# KiCad board TEC.kicad_pcb (continued)
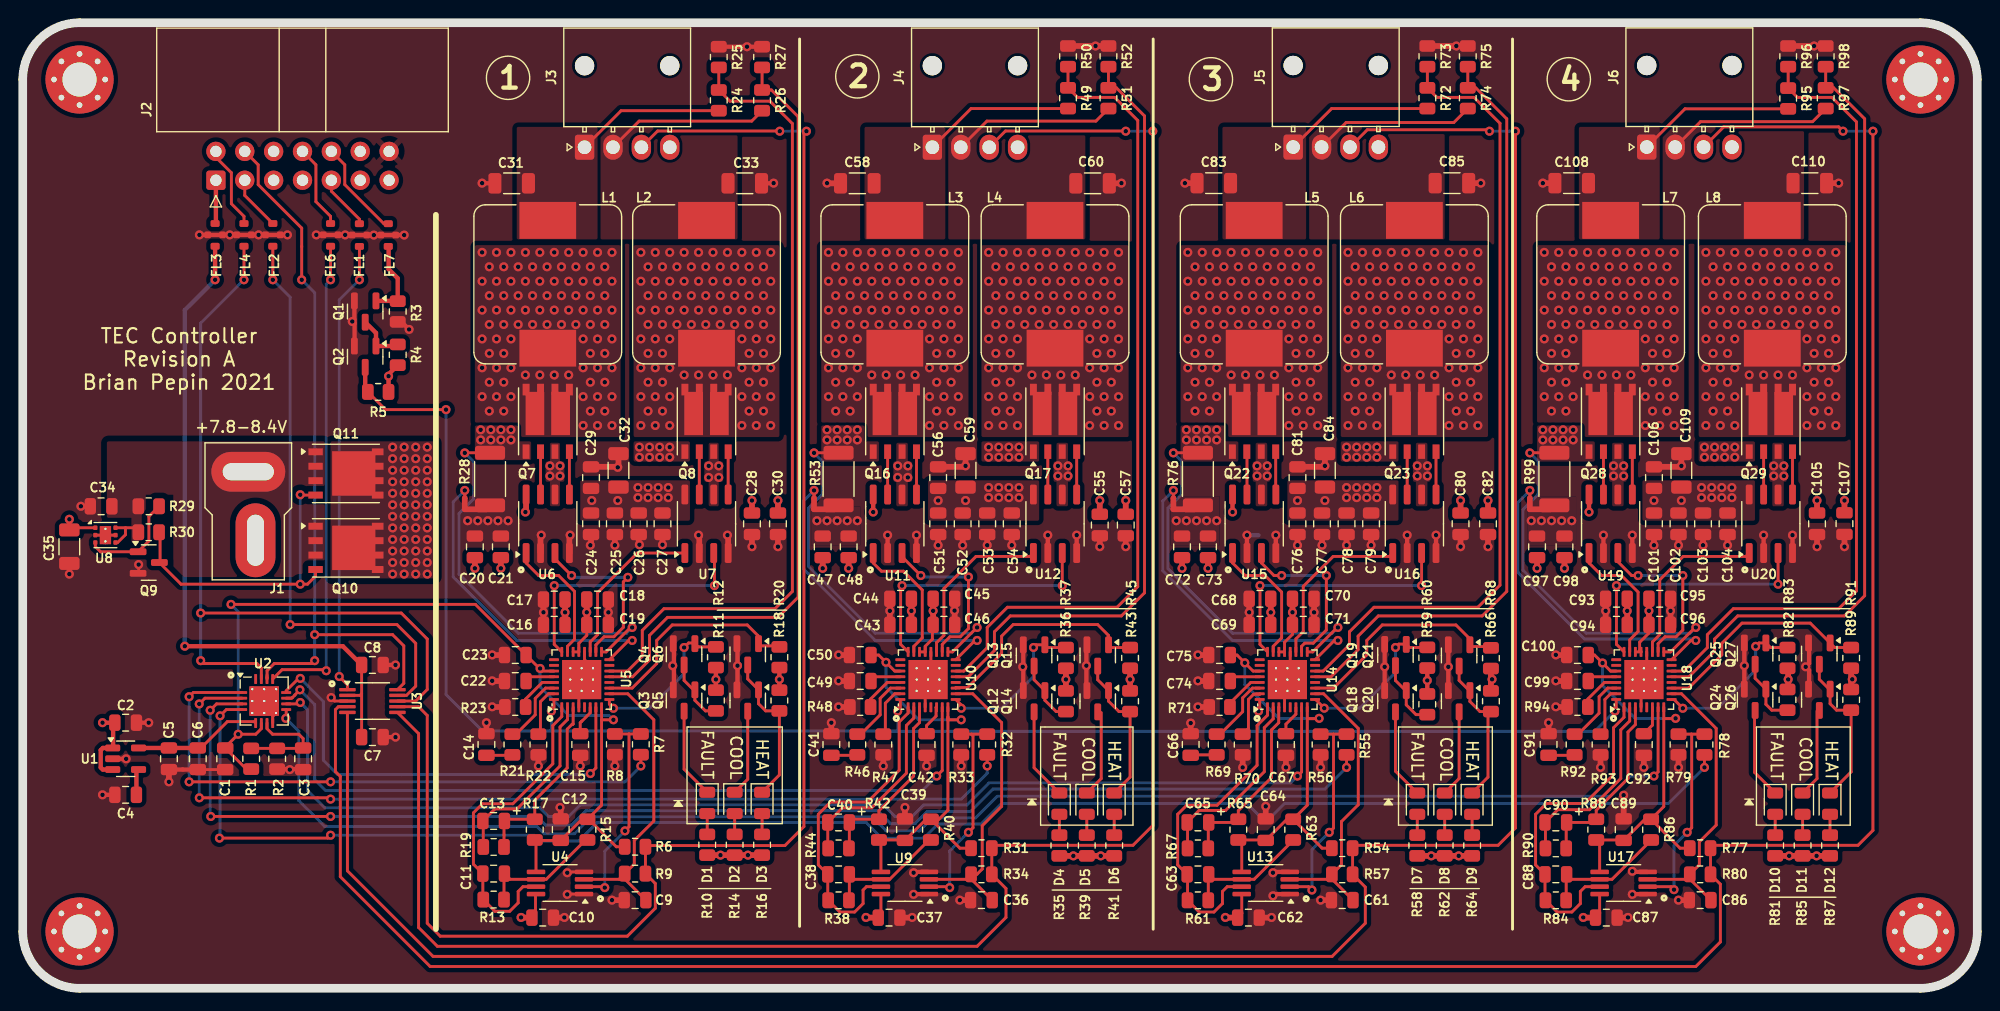
[diagram p0: board, top side]
## Library data of the parts (continued)
U2 = -: PartNo: DAC108S085CISQ/NOPB
U3 = -: PartNo: ADC104S021CIMMX/NOPB
U4 U9 U13 U17 = -: PartNo: LTC2053IMS8#PBF
U5 U10 U14 U18 = -: PartNo: LTC1923EUH#PBF
U6 U7 U11 U12 U15 U16 U19 U20 = -: PartNo: LTC1693-1IS8#PBF
U8 = -: PartNo: TPS7A2650DRVR

## Footprints (pads in the part's own frame, mm; a bottom-side part is the same pattern mirrored in y, then rotated)
C_0805_2012Metric
  rrect 1x1.45 smd: 1(-0.95,0) 2(0.95,0)
C_1206_3216Metric
  rrect 1.15x1.8 smd: 1(-1.475,0) 2(1.475,0)
Connector_Deans_Male
  oval 6.5x3.5 hole 4.5x1.5: +(0,2.531)
  oval 3.5x6.5 hole 1.5x4.5: -(0.635,-3.5)
EMI_805
  rrect 0.6x0.8 smd: 1(-1,0) 3(1,0)
  rrect 0.6x0.6 smd: 2(0,0.65) 2(0,-0.65)
IDC-Header_2x07_P2.54mm_Horizontal
  rrect 1.7x1.7 hole 1: 1(0,0)
  round 1.7 hole 1: 2(2.54,0) 3(0,-2.54) 4(2.54,-2.54) 5(0,-5.08) 6(2.54,-5.08) 7(0,-7.62) 8(2.54,-7.62) 9(0,-10.16) 10(2.54,-10.16) 11(0,-12.7) 12(2.54,-12.7) 13(0,-15.24) 14(2.54,-15.24)
L_Pulse_PA4343_2
  rect 3.25x5 smd: 1(-5.625,0) 2(5.625,0)
LED_0805_2012Metric
  rrect 0.975x1.4 smd: 1(-0.938,0) 2(0.938,0)
Molex_Nano-Fit_105313-xx04_1x04_P2.50mm_Horizontal
  round 1.7 hole 1.7 unplated: (7.18,0) (7.18,-7.5)
  rrect 2.2x1.7 hole 1.2: 1(0,0)
  oval 2.2x1.7 hole 1.2: 2(0,-2.5) 3(0,-5) 4(0,-7.5)
MountingHole_3mm_Pad_Via
  round 0.8 hole 0.5: 1(-2.25,0) 1(-1.591,1.591) 1(-1.591,-1.591) 1(0,2.25) 1(0,-2.25) 1(1.591,1.591) 1(1.591,-1.591) 1(2.25,0)
  round 6 hole 3: 1(0,0)
MSOP-8_3x3mm_P0.65mm
  rrect 1.625x0.4 smd: 1(-2.112,0.975) 2(-2.112,0.325) 3(-2.112,-0.325) 4(-2.112,-0.975) 5(2.112,-0.975) 6(2.112,-0.325) 7(2.112,0.325) 8(2.112,0.975)
NetTie-2_SMD_Pad0.5mm
  round 0.5 smd: 1(-0.5,0) 2(0.5,0)
PowerPAK_SO-8_Dual
  rect 1.27x0.61 smd: 1(-2.67,1.905) 2(-2.67,0.635) 3(-2.67,-0.635) 4(-2.67,-1.905)
  rect 3.81x1.65 smd: 5(0.69,1.13) 6(0.69,-1.13)
  rect 1.02x0.61 smd: 5(2.795,1.905) 5(2.795,0.635) 6(2.795,-0.635) 6(2.795,-1.905)
PowerPAK_SO-8_Single
  rect 1.27x0.61 smd: 1(-2.67,1.905) 2(-2.67,0.635) 3(-2.67,-0.635) 4(-2.67,-1.905)
  rect 3.81x3.91 smd: 5(0.69,0)
  rect 1.02x0.61 smd: 5(2.795,1.905) 5(2.795,0.635) 5(2.795,-0.635) 5(2.795,-1.905)
QFN-32-1EP_5x5mm_P0.5mm_EP3.45x3.45mm_ThermalVias
  custom 0.585x0.585 smd: (-1.363,1.363) (-1.363,-1.363) (1.363,1.363) (1.363,-1.363)
  custom 0.585x0.806 smd: (-1.363,0.5) (-1.363,-0.5) (1.363,0.5) (1.363,-0.5)
  custom 0.806x0.585 smd: (-0.5,1.363) (-0.5,-1.363) (0.5,1.363) (0.5,-1.363)
  rrect 0.806x0.806 smd: (-0.5,0.5) (-0.5,-0.5) (0.5,0.5) (0.5,-0.5)
  rrect 0.875x0.25 smd: 1(-2.438,1.75) 2(-2.438,1.25) 3(-2.438,0.75) 4(-2.438,0.25) 5(-2.438,-0.25) 6(-2.438,-0.75) 7(-2.438,-1.25) 8(-2.438,-1.75) 17(2.438,-1.75) 18(2.438,-1.25) 19(2.438,-0.75) 20(2.438,-0.25) 21(2.438,0.25) 22(2.438,0.75) 23(2.438,1.25) 24(2.438,1.75)
  rrect 0.25x0.875 smd: 9(-1.75,-2.438) 10(-1.25,-2.438) 11(-0.75,-2.438) 12(-0.25,-2.438) 13(0.25,-2.438) 14(0.75,-2.438) 15(1.25,-2.438) 16(1.75,-2.438) 25(1.75,2.438) 26(1.25,2.438) 27(0.75,2.438) 28(0.25,2.438) 29(-0.25,2.438) 30(-0.75,2.438) 31(-1.25,2.438) 32(-1.75,2.438)
  round 0.5 hole 0.2: 33(-1,1) 33(-1,0) 33(-1,-1) 33(0,1) 33(0,0) 33(0,-1) 33(1,1) 33(1,0) 33(1,-1)
  rect 2.5x2.5 smd far side: 33(0,0)
  rect 3.45x3.45 smd: 33(0,0)
R_0805_2012Metric
  rrect 1.025x1.4 smd: 1(-0.912,0) 2(0.912,0)
R_2010_5025Metric
  rrect 1.225x2.65 smd: 1(-2.312,0) 2(2.312,0)
SO-8_3.9x4.9mm_P1.27mm
  rrect 1.75x0.6 smd: 1(-2.575,1.905) 2(-2.575,0.635) 3(-2.575,-0.635) 4(-2.575,-1.905) 5(2.575,-1.905) 6(2.575,-0.635) 7(2.575,0.635) 8(2.575,1.905)
SOT-23
  rrect 1.475x0.6 smd: 1(-0.938,0.95) 2(-0.938,-0.95) 3(0.938,0)
SOT-23-5
  rrect 1.325x0.6 smd: 1(-1.137,0.95) 2(-1.137,0) 3(-1.137,-0.95) 4(1.137,-0.95) 5(1.137,0.95)
VSSOP-10_3x3mm_P0.5mm
  rrect 1.45x0.3 smd: 1(-2.2,1) 2(-2.2,0.5) 3(-2.2,0) 4(-2.2,-0.5) 5(-2.2,-1) 6(2.2,-1) 7(2.2,-0.5) 8(2.2,0) 9(2.2,0.5) 10(2.2,1)
WQFN-16-1EP_4x4mm_P0.5mm_EP2.6x2.6mm_ThermalVias
  rrect 1.13x1.13 smd: (-0.65,0.65) (-0.65,-0.65) (0.65,0.65) (0.65,-0.65)
  rrect 0.875x0.25 smd: 1(-1.938,0.75) 2(-1.938,0.25) 3(-1.938,-0.25) 4(-1.938,-0.75) 9(1.938,-0.75) 10(1.938,-0.25) 11(1.938,0.25) 12(1.938,0.75)
  rrect 0.25x0.875 smd: 5(-0.75,-1.938) 6(-0.25,-1.938) 7(0.25,-1.938) 8(0.75,-1.938) 13(0.75,1.938) 14(0.25,1.938) 15(-0.25,1.938) 16(-0.75,1.938)
  round 0.5 hole 0.2: 17(-1.05,1.05) 17(-1.05,0) 17(-1.05,-1.05) 17(0,1.05) 17(0,0) 17(0,-1.05) 17(1.05,1.05) 17(1.05,0) 17(1.05,-1.05)
  rect 2.6x2.6 smd: 17(0,0)
  rect 2.6x2.6 smd far side: 17(0,0)
WSON-6-1EP_2x2mm_P0.65mm_EP1x1.6mm_ThermalVias
  rrect 0.87x0.69 smd: (0,0.4) (0,-0.4)
  rrect 0.375x0.4 smd: 1(-0.887,0.65) 2(-0.887,0) 3(-0.887,-0.65) 4(0.887,-0.65) 5(0.887,0) 6(0.887,0.65)
  round 0.5 hole 0.2: 7(0,0.55) 7(0,-0.55)
  rect 0.5x1.6 smd far side: 7(0,0)
  rect 1x1.6 smd: 7(0,0)

## Nets
+3V3: C7.1 C8.1 FL3.1 U3.2
+5V: C2.1 C10.2 C16.2 C17.2 C18.2 C19.2 C35.2 C37.2 C43.2 C44.2 C45.2 C46.2 C62.2 C68.2 C69.2 C70.2 C71.2 C87.2 C93.2 C94.2 C95.2 C96.2 R4.2 R5.2 R10.2 R11.2 R12.2 R14.2 R16.2 R18.2 R20.2 R35.2 R36.2 R37.2 R39.2 R41.2 R43.2 R45.2 R58.2 R59.2 R60.2 R62.2 R64.2 R66.2 R68.2 R81.2 R82.2 R83.2 R85.2 R87.2 R89.2 R91.2 U1.1 U1.3 U4.8 U5.21 U5.22 U8.1 U9.8 U10.21 U10.22 U13.8 U14.21 U14.22 U17.8 U18.21 U18.22
GND: C1.1 C2.2 C3.1 C4.1 C5.1 C6.1 C7.2 C8.2 C9.2 C10.1 C12.2 C14.2 C15.1 C16.1 C17.1 C18.1 C19.1 C20.1 C21.1 C22.2 C23.2 C24.1 C25.1 C26.1 C27.1 C28.1 C29.2 C30.1 C31.1 C32.2 C33.1 C34.2 C35.1 C36.2 C37.1 C39.2 C41.2 C42.1 C43.1 C44.1 C45.1 C46.1 C47.1 C48.1 C49.2 C50.2 C51.1 C52.1 C53.1 C54.1 C55.1 C56.2 C57.1 C58.1 C59.2 C60.1 C61.2 C62.1 C64.2 C66.2 C67.1 C68.1 C69.1 C70.1 C71.1 C72.1 C73.1 C74.2 C75.2 C76.1 C77.1 C78.1 C79.1 C80.1 C81.2 C82.1 C83.1 C84.2 C85.1 C86.2 C87.1 C89.2 C91.2 C92.1 C93.1 C94.1 C95.1 C96.1 C97.1 C98.1 C99.2 C100.2 C101.1 C102.1 C103.1 C104.1 C105.1 C106.2 C107.1 C108.1 C109.2 C110.1 FL1.2 FL2.2 FL3.2 FL4.2 FL6.2 FL7.2 J1.- J2.14 J3.4 J4.4 J5.4 J6.4 NT1.2 NT2.2 NT3.2 NT4.2 Q1.2 Q2.2 Q3.2 Q4.2 Q5.2 Q6.2 Q9.2 Q12.2 Q13.2 Q14.2 Q15.2 Q18.2 Q19.2 Q20.2 Q21.2 Q24.2 Q25.2 Q26.2 Q27.2 R2.2 R3.1 R8.1 R22.2 R23.1 R25.1 R27.1 R28.1 R33.1 R47.2 R48.1 R50.1 R52.1 R53.1 R56.1 R70.2 R71.1 R73.1 R75.1 R76.1 R79.1 R93.2 R94.1 R96.1 R98.1 R99.1 U1.2 U2.8 U2.17 U3.3 U4.1 U4.4 U5.4 U5.20 U5.33 U6.2 U6.4 U7.2 U7.4 U8.2 U8.5 U8.7 U9.1 U9.4 U10.4 U10.20 U10.33 U11.2 U11.4 U12.2 U12.4 U13.1 U13.4 U14.4 U14.20 U14.33 U15.2 U15.4 U16.2 U16.4 U17.1 U17.4 U18.4 U18.20 U18.33 U19.2 U19.4 U20.2 U20.4
+BATT: C34.1 J1.+ Q10.1 Q10.2 Q10.3 Q11.1 Q11.2 Q11.3 R29.2 R30.2 U8.4 U8.6
+VDC: C20.2 C21.2 C24.2 C25.2 C26.2 C27.2 C28.2 C29.1 C30.2 C32.1 C47.2 C48.2 C51.2 C52.2 C53.2 C54.2 C55.2 C56.1 C57.2 C59.1 C72.2 C73.2 C76.2 C77.2 C78.2 C79.2 C80.2 C81.1 C82.2 C84.1 C97.2 C98.2 C101.2 C102.2 C103.2 C104.2 C105.2 C106.1 C107.2 C109.1 Q7.3 Q8.3 Q10.5 Q11.5 Q16.3 Q17.3 Q22.3 Q23.3 Q28.3 Q29.3 U6.6 U6.8 U7.6 U7.8 U11.6 U11.8 U12.6 U12.8 U15.6 U15.8 U16.6 U16.8 U19.6 U19.8 U20.6 U20.8
/CS_TEC_READ: FL1.1 U3.1
/CS_TEC_SET: FL6.1 U2.13
/ENABLE: Q2.3 R5.1 U5.32 U10.32 U14.32 U18.32
/ITECSET1: U2.12 U5.7
/ITECSET2: U2.11 U10.7
/ITECSET3: U2.10 U14.7
/ITECSET4: U2.9 U18.7
/LTC1923Channel/HC: Q6.1 R20.1 U5.11
/LTC1923Channel/TECN: C33.2 J3.2 L2.1 R26.2
/LTC1923Channel/TECP: C31.2 J3.1 L1.2 R24.2
/LTC1923Channel/~{FAULT}: Q4.1 R12.1 U5.9
/MISO: FL2.1 U3.9
/MOSI: FL4.1 U2.15 U3.8
/SCK: J2.4 U2.14 U3.10
/sheet609B3708/HC: Q15.1 R45.1 U10.11
/sheet609B3708/TECN: C60.2 J4.2 L4.1 R51.2
/sheet609B3708/TECP: C58.2 J4.1 L3.2 R49.2
/sheet609B3708/VREF: C39.1 C50.1 R31.1 R40.1 R42.2 U9.5 U10.8 U10.27
/sheet609B3708/~{FAULT}: Q13.1 R37.1 U10.9
/sheet609BE7FC/HC: Q21.1 R68.1 U14.11
/sheet609BE7FC/TECN: C85.2 J5.2 L6.1 R74.2
/sheet609BE7FC/TECP: C83.2 J5.1 L5.2 R72.2
/sheet609BE7FC/VREF: C64.1 C75.1 R54.1 R63.1 R65.2 U13.5 U14.8 U14.27
/sheet609BE7FC/~{FAULT}: Q19.1 R60.1 U14.9
/sheet609C9431/HC: Q27.1 R91.1 U18.11
/sheet609C9431/TECN: C110.2 J6.2 L8.1 R97.2
/sheet609C9431/TECP: C108.2 J6.1 L7.2 R95.2
/sheet609C9431/VREF: C89.1 C100.1 R77.1 R86.1 R88.2 U17.5 U18.8 U18.27
/sheet609C9431/~{FAULT}: Q25.1 R83.1 U18.9
/TEC_ENABLE: FL7.1 Q1.1 R3.2
/TEMPGET1: J3.3 R6.2 R9.2 U3.7
/TEMPGET2: J4.3 R31.2 R34.2 U3.6
/TEMPGET3: J5.3 R54.2 R57.2 U3.5
/TEMPGET4: J6.3 R77.2 R80.2 U3.4
/TEMPSET1: R7.2 U2.1
/TEMPSET2: R32.2 U2.2
/TEMPSET3: R55.2 U2.3
/TEMPSET4: R78.2 U2.4
/VREF: C1.2 C12.1 C23.1 R1.1 R6.1 R15.1 R17.2 U2.6 U4.5 U5.8 U5.27
/VREF2: C3.2 R1.2 R2.1 U2.7
Net-(C14-Pad1): C14.1 R21.2
Net-(C41-Pad1): C41.1 R46.2
Net-(C66-Pad1): C66.1 R69.2
Net-(C91-Pad1): C91.1 R92.2
Net-(D1-A): D1.2 R10.1
Net-(D1-K): D1.1 Q3.3
Net-(D2-A): D2.2 R14.1
Net-(D2-K): D2.1 Q5.3
Net-(D3-A): D3.2 R16.1
Net-(D3-K): D3.1 Q5.1 Q6.3 R18.1
Net-(D4-A): D4.2 R35.1
Net-(D4-K): D4.1 Q12.3
Net-(D5-A): D5.2 R39.1
Net-(D5-K): D5.1 Q14.3
Net-(D6-A): D6.2 R41.1
Net-(D6-K): D6.1 Q14.1 Q15.3 R43.1
Net-(D7-A): D7.2 R58.1
Net-(D7-K): D7.1 Q18.3
Net-(D8-A): D8.2 R62.1
Net-(D8-K): D8.1 Q20.3
Net-(D9-A): D9.2 R64.1
Net-(D9-K): D9.1 Q20.1 Q21.3 R66.1
Net-(D10-A): D10.2 R81.1
Net-(D10-K): D10.1 Q24.3
Net-(D11-A): D11.2 R85.1
Net-(D11-K): D11.1 Q26.3
Net-(D12-A): D12.2 R87.1
Net-(D12-K): D12.1 Q26.1 Q27.3 R89.1
Net-(J2-Pin_1): FL3.3 J2.1
Net-(J2-Pin_2): FL4.3 J2.2
Net-(J2-Pin_3): FL2.3 J2.3
Net-(J2-Pin_8): FL6.3 J2.8
Net-(J2-Pin_9): FL1.3 J2.9
Net-(J2-Pin_10): FL7.3 J2.10
Net-(Q1-D): Q1.3 Q2.1 R4.1
Net-(Q3-G): Q3.1 Q4.3 R11.1
Net-(Q7-D1): L1.1 Q7.5 Q7.6
Net-(Q7-G1): Q7.2 U6.7
Net-(Q7-G2): Q7.4 U6.5
Net-(Q7-S1): Q7.1 Q8.1 R28.2 U5.17
Net-(Q8-D1): L2.2 Q8.5 Q8.6
Net-(Q8-G1): Q8.2 U7.7
Net-(Q8-G2): Q8.4 U7.5
Net-(Q9-G): Q9.1 R29.1 U8.3
Net-(Q10-G): Q9.3 Q10.4 Q11.4 R30.1
Net-(Q12-G): Q12.1 Q13.3 R36.1
Net-(Q16-D1): L3.1 Q16.5 Q16.6
Net-(Q16-G1): Q16.2 U11.7
Net-(Q16-G2): Q16.4 U11.5
Net-(Q16-S1): Q16.1 Q17.1 R53.2 U10.17
Net-(Q17-D1): L4.2 Q17.5 Q17.6
Net-(Q17-G1): Q17.2 U12.7
Net-(Q17-G2): Q17.4 U12.5
Net-(Q18-G): Q18.1 Q19.3 R59.1
Net-(Q22-D1): L5.1 Q22.5 Q22.6
Net-(Q22-G1): Q22.2 U15.7
Net-(Q22-G2): Q22.4 U15.5
Net-(Q22-S1): Q22.1 Q23.1 R76.2 U14.17
Net-(Q23-D1): L6.2 Q23.5 Q23.6
Net-(Q23-G1): Q23.2 U16.7
Net-(Q23-G2): Q23.4 U16.5
Net-(Q24-G): Q24.1 Q25.3 R82.1
Net-(Q28-D1): L7.1 Q28.5 Q28.6
Net-(Q28-G1): Q28.2 U19.7
Net-(Q28-G2): Q28.4 U19.5
Net-(Q28-S1): Q28.1 Q29.1 R99.2 U18.17
Net-(Q29-D1): L8.2 Q29.5 Q29.6
Net-(Q29-G1): Q29.2 U20.7
Net-(Q29-G2): Q29.4 U20.5
Net-(U1-BP): C4.2 U1.4
Net-(U1-VOUT): C5.2 C6.2 U1.5 U2.5
Net-(U4-+IN): C9.1 R9.1 U4.3 U5.10
Net-(U4--IN): R7.1 R8.2 U4.2
Net-(U4-OUT): C11.1 R13.1 U4.7 U5.1
Net-(U4-RG): C11.2 R13.2 R15.2 U4.6
Net-(U5-CS-): NT1.1 U5.16
Net-(U5-CT): C22.1 U5.28
Net-(U5-EAOUT): C13.2 R19.1 U5.2
Net-(U5-FB): C13.1 R17.1 R19.2 U5.3
Net-(U5-NDRVA): U5.19 U7.1
Net-(U5-NDRVB): U5.23 U6.1
Net-(U5-PDRVA): U5.18 U6.3
Net-(U5-PDRVB): U5.24 U7.3
Net-(U5-PLLLPF): R21.1 U5.30
Net-(U5-RSLEW): R22.1 U5.31
Net-(U5-RT): R23.2 U5.29
Net-(U5-SS): C15.2 U5.6
Net-(U5-TEC+): R24.1 R25.2 U5.14
Net-(U5-TEC-): R26.1 R27.2 U5.13
Net-(U9--IN): R32.1 R33.2 U9.2
Net-(U9-RG): C38.2 R38.2 R40.2 U9.6
Net-(U10-CNTRL): C38.1 R38.1 U9.7 U10.1
Net-(U10-CS-): NT2.1 U10.16
Net-(U10-CT): C49.1 U10.28
Net-(U10-EAOUT): C40.2 R44.1 U10.2
Net-(U10-FB): C40.1 R42.1 R44.2 U10.3
Net-(U10-NDRVA): U10.19 U12.1
Net-(U10-NDRVB): U10.23 U11.1
Net-(U10-PDRVA): U10.18 U11.3
Net-(U10-PDRVB): U10.24 U12.3
Net-(U10-PLLLPF): R46.1 U10.30
Net-(U10-RSLEW): R47.1 U10.31
Net-(U10-RT): R48.2 U10.29
Net-(U10-SS): C42.2 U10.6
Net-(U10-TEC+): R49.1 R50.2 U10.14
Net-(U10-TEC-): R51.1 R52.2 U10.13
Net-(U10-VTHRM): C36.1 R34.1 U9.3 U10.10
Net-(U13-+IN): C61.1 R57.1 U13.3 U14.10
Net-(U13--IN): R55.1 R56.2 U13.2
Net-(U13-OUT): C63.1 R61.1 U13.7 U14.1
Net-(U13-RG): C63.2 R61.2 R63.2 U13.6
Net-(U14-CS-): NT3.1 U14.16
Net-(U14-CT): C74.1 U14.28
Net-(U14-EAOUT): C65.2 R67.1 U14.2
Net-(U14-FB): C65.1 R65.1 R67.2 U14.3
Net-(U14-NDRVA): U14.19 U16.1
Net-(U14-NDRVB): U14.23 U15.1
Net-(U14-PDRVA): U14.18 U15.3
Net-(U14-PDRVB): U14.24 U16.3
Net-(U14-PLLLPF): R69.1 U14.30
Net-(U14-RSLEW): R70.1 U14.31
Net-(U14-RT): R71.2 U14.29
Net-(U14-SS): C67.2 U14.6
Net-(U14-TEC+): R72.1 R73.2 U14.14
Net-(U14-TEC-): R74.1 R75.2 U14.13
Net-(U17-+IN): C86.1 R80.1 U17.3 U18.10
Net-(U17--IN): R78.1 R79.2 U17.2
Net-(U17-OUT): C88.1 R84.1 U17.7 U18.1
Net-(U17-RG): C88.2 R84.2 R86.2 U17.6
Net-(U18-CS-): NT4.1 U18.16
Net-(U18-CT): C99.1 U18.28
Net-(U18-EAOUT): C90.2 R90.1 U18.2
Net-(U18-FB): C90.1 R88.1 R90.2 U18.3
Net-(U18-NDRVA): U18.19 U20.1
Net-(U18-NDRVB): U18.23 U19.1
Net-(U18-PDRVA): U18.18 U19.3
Net-(U18-PDRVB): U18.24 U20.3
Net-(U18-PLLLPF): R92.1 U18.30
Net-(U18-RSLEW): R93.1 U18.31
Net-(U18-RT): R94.2 U18.29
Net-(U18-SS): C92.2 U18.6
Net-(U18-TEC+): R95.1 R96.2 U18.14
Net-(U18-TEC-): R97.1 R98.2 U18.13

Pads without a net: H1 1; H2 1; H3 1; H4 1; J2 5 6 7 11 12 13; U2 16; U5 5 12 15 25 26; U10 5 12 15 25 26; U14 5 12 15 25 26; U18 5 12 15 25 26

## Via types
v1: diameter 0.8, hole 0.4, Top to Bottom, 1271 vias

## Routing (per net, layer and track width the routed paths; a pad name or vN(x,y) marks a point on that pad's centre or on a via; arc(x,y) is an arc through that point)
+3V3: length 60.2
  Top w0.254: 29.82,25.92 29.69,25.79 U3.2 ; 29.82,25.92 C8.1 ; 29.82,25.92 C7.1
  Top w0.381: v1(14.26,30.11) 28.17,30.11 C8.1 ; FL3.1 16.93,62.37 v1(16.93,62.37)
  Bottom w0.381: v1(14.26,30.11) 14.26,59.7 v1(16.93,62.37)
+5V: length 92.2
  Top w0.254: 6.39,40.54 4.29,40.54 C35.2 ; U4.8 45.12,8.25 45.12,6.53 C10.2 ; U17.8 138.77,6.58 C87.2 ; C46.2 80.05,31.94 80.05,30.74 79.42,30.11 U10.21 U10.22 ; U18.22 U18.21 142.29,29.74 142.29,30.46 143.11,31.28 C96.2 ; C19.2 49.63,31.07 48.94,30.37 U5.21 U5.22 ; U14.22 U14.21 111.04,30.46 111.74,31.16 111.74,32 ; C37.2 75.52,6.45 U9.8 ; C62.2 107.27,6.58 U13.8
  Top w0.381: R20.2 v1(66.59,27.19) R18.2 ; 32.19,52.84 v1(32.19,53.88) 32.19,54.05 R4.2 ; C35.2 v1(4.1,41.29) ; R11.2 v1(61,27.19) R12.2 ; v1(7.02,23.38) C2.1 7.95,23.23 7.95,21.16 ; U1.1 7.06,21.16 6.86,20.96 6.86,19.44 7.04,19.26 U1.3 ; R60.2 v1(123.6,27.1) R59.2
  Top w0.508: C19.2 v1(49.63,33.1) C18.2 ; C17.2 v1(47.72,33.09) C16.2 ; R16.2 v1(63.82,11.72) R14.2 v1(61.4,11.72) R10.2 ; C45.2 v1(80.11,33.23) C46.2 ; C44.2 v1(78.2,33.22) C43.2 ; R41.2 v1(94.87,11.66) R39.2 v1(92.45,11.66) R35.2 ; R43.2 v1(97.45,27.19) R45.2 ; C68.2 v1(109.83,33.09) C69.2 ; 111.74,32 v1(111.74,33.1) 111.74,34.29 ; R64.2 v1(126.36,11.66) R62.2 v1(123.95,11.66) R58.2 ; C94.2 v1(141.2,33.22) C93.2 ; C95.2 v1(143.11,33.23) C96.2 ; R87.2 v1(157.86,11.66) R85.2 v1(155.45,11.66) R81.2 ; 155.36,28.17 v1(155.36,27.19) 155.36,26.31 ; R37.2 v1(91.8,27.19) R36.2 ; v1(74.21,6.24) 74.22,6.22 C37.2 ; R68.2 129.2,27.3 v1(129.3,27.2) 129.2,27.1 R66.2 ; C10.2 43.87,6.22 v1(43.85,6.24) ; v1(137.32,6.24) 137.34,6.22 C87.2 ; C62.2 105.84,6.22 v1(105.83,6.24) ; R91.2 160.9,27.3 v1(161,27.2) 160.9,27.1 R89.2
GND: length 260.2
  Top w0.254: U5.20 49.44,28.92 U5.33 ; U4.4 47.99,10.24 v1(47.92,10.17) ; Q9.2 10.2,36.58 v1(10.2,37.3) ; U2.17 22,23.94 U2.8 ; U5.33 48.94,25.92 U5.4 ; C6.1 C1.1 ; v1(47.92,8.27) 47.94,8.29 U4.1 ; U8.5 U8.7 U8.2 ; U18.20 142.91,27.42 U18.33 142.41,26.92 U18.4 ; v1(27.14,25.59) 27.45,25.29 U3.3 ; U10.20 79.92,27.42 U10.33 79.42,26.92 U10.4 ; U14.4 111.04,26.92 U14.33 111.54,27.42 U14.20
  Top w0.381: v1(25.83,66.32) FL6.2 FL6.2 v1(28.38,66.32) 28.96,66.32 FL1.2 FL1.2 v1(30.9,66.31) FL7.2 v1(33.57,66.31) ; C6.1 C5.1 ; R27.1 v1(63.74,82.89) R25.1 ; v1(78.4,8.27) 78.42,8.29 U9.1 ; U20.4 v1(155.74,39.89) ; v1(15.55,66.32) FL3.2 FL3.2 v1(18.22,66.32) FL4.2 v1(20.75,66.32) FL2.2 FL2.2 v1(23.3,66.32) ; Q26.2 157.2,26.39 157.2,28 v1(156.9,28.3) 157.2,28.6 157.2,30.35 Q27.2 ; U15.4 v1(110.27,39.89) ; Q6.2 62.9,30.29 62.9,26.32 Q5.2 ; C33.1 66.06,70.86 v1(66.08,70.88) ; Q14.2 93.6,26.26 93.6,30.19 Q15.2 ; Q18.2 v1(119.85,28.3) Q19.2 ; C2.2 v1(11.09,23.38) ; v1(141.64,8.27) 141.67,8.29 U17.1 ; v1(110.02,8.14) 110.17,8.29 U13.1 ; U13.4 110.09,10.24 v1(110.02,10.17) ; v1(34,58) 33.34,58.66 R3.1 ; Q20.2 v1(125.45,28.3) Q21.2 ; C7.2 v1(32.8,22.11) ; C8.2 v1(32.8,28.46) ; C34.2 v1(5.12,42.43) ; C35.1 v1(4.1,36.46) ; U19.2 v1(139.1,39.89) ; U12.4 v1(92.75,39.89) ; Q24.2 v1(151.5,28.4) Q25.2 ; Q3.2 57.3,26.32 57.3,30.29 Q4.2 ; U15.2 v1(107.73,39.89) ; U20.2 v1(153.2,39.89) ; U19.4 v1(141.64,39.89) ; C3.1 24.64,19.29 R2.2 ; v1(9.1,20.2) 9.09,20.21 7.95,20.21 ; Q2.2 29.2,56.55 29.2,58.5 v1(29,58.7) 29.19,58.89 Q1.2 ; U16.2 v1(121.83,39.89) ; U9.4 78.47,10.24 v1(78.4,10.17) ; U16.4 v1(124.37,39.89) ; v1(141.64,10.3) 141.7,10.24 U17.4 ; 78.65,38.32 v1(78.65,39.89) ; 76.11,38.32 v1(76.11,39.89) ; C4.1 v1(7.02,17.03) ; Q13.2 Q12.2 ; U12.2 v1(90.21,39.89) ; C31.1 40.44,70.86 v1(40.42,70.88)
  Top w0.508: C19.1 v1(51.53,33.09) C18.1 ; C17.1 v1(45.82,33.1) C16.1 ; C46.1 C45.1 ; C44.1 v1(76.3,33.23) C43.1 ; C68.1 v1(107.93,33.1) C69.1 ; C70.1 v1(113.64,33.09) C71.1 ; C93.1 v1(139.3,33.23) C94.1 ; C96.1 v1(145.01,33.22) C95.1 ; C108.1 v1(133.77,70.88) ; C32.2 52.43,45.92 v1(52.36,45.86) 52.32,45.91 C29.2 ; C39.2 v1(77.64,15.92) ; R96.1 v1(157.64,82.95) R98.1 ; v1(47.28,15.92) 47.35,15.86 C12.2 ; C15.1 v1(49.06,19.57) ; v1(78.27,6.24) 78.25,6.22 C37.1 ; C52.1 v1(82.72,39) ; R48.1 71.81,24.76 v1(71.79,24.78) ; C106.2 145.88,45.91 v1(145.96,45.99) C109.2 ; C86.2 v1(145.71,7.76) ; v1(103.42,24.78) 103.43,24.76 R71.1 ; R28.1 40.78,42.17 NT1.2 ; v1(47.66,6.24) 47.65,6.22 C10.1 ; v1(59.47,39.89) 59.54,39.83 U7.2 ; R47.2 v1(75.73,19.57) ; U6.2 45.57,39.83 v1(45.63,39.89) ; C79.1 v1(118.66,39) ; R33.1 v1(82.59,19.57) ; C49.2 71.81,27.05 v1(71.79,27.06) ; R23.1 41.33,24.76 v1(41.31,24.78) ; C61.2 v1(114.21,7.76) ; v1(103.42,29.35) 103.43,29.33 C75.2 ; C74.2 103.43,27.05 v1(103.42,27.06) ; v1(134.91,24.78) 134.93,24.76 R94.1 ; C50.2 71.81,29.33 v1(71.79,29.35) ; R70.2 v1(107.35,19.44) ; v1(70.78,70.88) 70.79,70.86 71.97,70.86 ; C36.2 v1(82.46,7.76) ; R53.1 71.45,42.17 NT2.2 ; C89.2 v1(140.88,17) ; C23.2 41.33,29.33 v1(41.31,29.35) ; v1(109.89,6.24) 109.88,6.22 108.81,6.22 ; C5.1 v1(12.87,18.17) ; C56.2 82.89,45.91 v1(82.97,45.99) C59.2 ; v1(41.31,27.06) 41.33,27.05 C22.2 ; C99.2 134.93,27.05 v1(134.91,27.06) ; C14.2 v1(40.81,23.38) ; C77.1 v1(114.34,39) ; R76.1 103.07,42.17 NT3.2 ; C76.1 v1(112.18,39) ; C104.1 v1(150.03,39) ; R99.1 134.44,42.17 NT4.2 ; C9.2 v1(51.85,7.76) ; C54.1 v1(87.03,39) ; R8.1 v1(52.11,19.57) ; v1(48.17,39.89) 48.11,39.83 U6.4 ; v1(62.01,39.89) 62.08,39.83 U7.4 ; C84.2 v1(114.59,45.99) 114.51,45.91 C81.2 ; C67.1 v1(111.16,19.44) ; v1(96.69,70.88) 96.67,70.86 C60.1 ; C105.1 v1(157.9,38.88) ; v1(134.91,29.35) 134.93,29.33 C100.2 ; C87.1 141.25,6.22 v1(141.26,6.24) ; C107.1 v1(160.31,38.88) ; R79.1 v1(145.71,19.44) ; C41.2 v1(71.16,23.38) ; C85.1 v1(128.31,70.88) ; C26.1 54.2,39.11 v1(54.27,39.05) ; C101.1 v1(143.55,39) ; R22.2 v1(45.38,19.57) ; C66.2 v1(102.78,23.35) ; C27.1 v1(56.3,39.05) ; C80.1 v1(126.53,38.88) ; C83.1 v1(102.27,70.88) ; C82.1 v1(128.94,38.88) ; C55.1 v1(94.78,38.88) ; C57.1 v1(97.07,38.88) ; R73.1 v1(126.16,82.95) R75.1 ; C78.1 v1(116.5,39) ; C51.1 v1(80.56,39) ; C92.1 v1(142.66,19.44) ; C110.1 v1(159.8,70.88) ; C24.1 50.01,39.07 v1(49.95,39) ; R56.1 v1(114.21,19.44) ; R52.1 v1(94.41,82.95) R50.1 ; C53.1 v1(84.87,39) ; C25.1 v1(52.11,39) ; C42.1 v1(79.54,19.57) ; C103.1 v1(147.87,39) ; C64.2 v1(109.38,16.01) ; C91.2 v1(134.28,23.38) ; C30.1 v1(66.46,38.88) ; C102.1 v1(145.71,39) ; R93.2 v1(138.85,19.44) ; C28.1 v1(64.17,38.88)
  Bottom w0.381: v1(107.73,39.89) 108.75,39.89
  vias: v1(23.5,19.25) v1(39.15,41.16) v1(40.04,41.16) v1(40.93,41.16) v1(41.82,41.16) v1(42.71,41.16) v1(57.2,28.4) v1(62.9,28.4) v1(69.89,41.16) v1(70.78,41.16) v1(71.67,41.16) v1(72.56,41.16) v1(73.44,41.16) v1(82,33.25) v1(88,28.3) v1(93.6,28.4) v1(101.51,41.16) v1(102.4,41.16) v1(103.29,41.16) v1(104.18,41.16) v1(105.07,41.16) v1(132.75,41.16) v1(133.64,41.16) v1(134.53,41.16) v1(135.42,41.16) v1(136.31,41.16)
+BATT: length 3.9
  Top w0.254: 9.04,40.54 9.78,40.54 R30.2 ; 9.04,40.54 9.04,39.93 8.35,39.24 U8.4 ; 9.04,40.54 8.16,40.54
+VDC: length 22.7
  Top w0.381: U19.8 v1(137.83,41.92) ; U15.8 v1(106.46,41.92) ; U11.8 v1(74.84,41.92)
  Top w0.508: C73.2 v1(104.31,36.97) ; C72.2 v1(102.02,36.97) ; C97.2 v1(133.26,36.97) ; 66.46,41.84 v1(66.46,42.94) ; 128.94,41.84 v1(128.94,42.94) ; 126.53,41.84 v1(126.53,42.94) ; U6.8 44.3,41.99 v1(44.23,41.92) ; 64.17,41.84 v1(64.17,42.94) ; C47.2 v1(70.4,36.97) ; C98.2 v1(135.67,36.97) ; C107.2 v1(160.31,42.94) ; C21.2 v1(42.08,36.97) ; C57.2 v1(97.07,42.94) ; 157.9,41.84 v1(157.9,42.94) ; C55.2 v1(94.78,42.94) ; C48.2 v1(72.68,36.97) ; C20.2 v1(39.79,36.97)
  vias: v1(32.55,47.64) v1(32.55,46.62) v1(32.55,45.61) v1(32.55,44.59) v1(32.55,43.57) v1(32.55,42.56) v1(32.55,41.54) v1(32.55,40.53) v1(32.55,39.51) v1(32.55,38.49) v1(32.55,37.48) v1(32.55,36.46) v1(33.57,47.64) v1(33.57,46.62) v1(33.57,45.61) v1(33.57,44.59) v1(33.57,43.57) v1(33.57,42.56) v1(33.57,41.54) v1(33.57,40.53) v1(33.57,39.51) v1(33.57,38.49) v1(33.57,37.48) v1(33.57,36.46) v1(34.58,47.64) v1(34.58,46.62) v1(34.58,45.61) v1(34.58,44.59) v1(34.58,43.57) v1(34.58,42.56) v1(34.58,41.54) v1(34.58,40.53) v1(34.58,39.51) v1(34.58,38.49) v1(34.58,37.48) v1(34.58,36.46) v1(35.6,47.64) v1(35.6,46.62) v1(35.6,45.61) v1(35.6,44.59) v1(35.6,43.57) v1(35.6,42.56) v1(35.6,41.54) v1(35.6,40.53) v1(35.6,39.51) v1(35.6,38.49) v1(35.6,37.48) v1(35.6,36.46) v1(46.39,45.99) v1(46.39,45.1) v1(47.28,45.99) v1(47.28,45.1) v1(50.08,42.94) v1(52.36,42.94) v1(54.14,44.08) v1(54.14,43.19) v1(55.03,44.08) v1(55.03,43.19) v1(55.92,44.08) v1(55.92,43.19) v1(56.81,44.08) v1(56.81,43.19) v1(60.36,45.99) v1(60.36,44.97) v1(61.25,45.99) v1(61.25,44.97) v1(77,45.99) v1(77,44.97) v1(77.89,45.99) v1(77.89,44.97) v1(80.56,42.94) v1(82.97,42.94) v1(85,44.08) v1(85,43.19) v1(85.89,44.08) v1(85.89,43.19) v1(86.78,44.08) v1(86.78,43.19) v1(87.67,44.08) v1(87.67,43.19) v1(91.1,45.99) v1(91.1,45.1) v1(91.99,45.99) v1(91.99,45.1) v1(108.62,45.99) v1(108.62,45.1) v1(109.51,45.99) v1(109.51,45.1) v1(112.18,42.94) v1(114.59,42.94) v1(116.5,44.08) v1(116.5,43.19) v1(117.39,44.08) v1(117.39,43.19) v1(118.28,44.08) v1(118.28,43.19) v1(119.16,44.08) v1(119.16,43.19) v1(122.72,45.99) v1(122.72,45.1) v1(123.61,45.99) v1(123.61,45.1) v1(139.99,45.99) v1(139.99,45.1) v1(140.88,45.99) v1(140.88,45.1) v1(143.55,42.94) v1(145.96,42.94) v1(147.74,44.08) v1(147.74,43.19) v1(148.63,44.08) v1(148.63,43.19) v1(149.52,44.08) v1(149.52,43.19) v1(150.41,44.08) v1(150.41,43.19) v1(154.09,45.99) v1(154.09,45.1) v1(154.98,45.99) v1(154.98,45.1)
/CS_TEC_READ: length 40.1
  Top w0.254: FL1.1 v1(29.63,62.37) ; U3.1 28.57,26.72 v1(27.85,27.44)
  Bottom w0.254: v1(27.85,27.44) 27.85,60.59 v1(29.63,62.37)
/CS_TEC_SET: length 42.6
  Top w0.254: FL6.1 v1(27.09,62.37) ; U2.13 22.82,28.05 26.61,28.05 v1(26.71,27.95)
  Bottom w0.254: v1(27.09,62.37) 26.71,61.99 v1(26.71,27.95)
/ENABLE: length 154.7
  Top w0.254: v1(37.25,50.94) 31.93,50.94 R5.1 ; v1(108.75,24.4) 108.85,24.5 U14.32 ; v1(140.12,24.4) 140.23,24.5 U18.32 ; v1(46.52,24.4) 46.75,24.63 U5.32 ; v1(77,24.4) 77.23,24.63 U10.32
  Top w0.381: R5.1 30.14,52.73 Q2.3
  Bottom w0.254: 44.77,22.65 46.52,22.65 v1(46.52,24.4) ; 44.77,22.65 75.25,22.65 ; 44.77,22.65 40.45,22.65 37.25,25.86 v1(37.25,50.94) ; 75.25,22.65 77,22.65 v1(77,24.4) ; 75.25,22.65 75.29,22.62 106.97,22.62 ; v1(108.75,24.4) 108.75,22.62 106.97,22.62 ; 106.97,22.62 138.34,22.62 v1(140.12,24.4)
/ITECSET1: length 40
  Top w0.254: v1(24.42,27.28) 24.28,27.28 23.18,26.18 U2.12 ; U5.7 50.44,19.39 v1(49.95,18.9)
  Bottom w0.254: v1(24.42,27.28) 26.45,25.25 26.45,20.08 27.72,18.81 49.85,18.81 v1(49.95,18.9)
/ITECSET2: length 71.9
  Top w0.254: U2.11 23.66,25.54 23.7,25.58 23.72,25.58 23.95,25.81 23.95,25.83 24.39,26.27 v1(24.39,26.28) ; U10.7 80.92,19.17 v1(80.43,18.68)
  Bottom w0.254: v1(24.39,26.28) 25.69,24.98 25.69,18.37 26.65,17.41 79.16,17.41 v1(80.43,18.68)
/ITECSET3: length 105.9
  Top w0.254: v1(24.42,25.16) 24.3,25.04 U2.10 ; U14.7 112.54,19.04 v1(112.18,18.68)
  Bottom w0.254: v1(24.42,25.16) 25.06,24.52 25.06,17.41 26.58,15.89 45.5,15.89 46.27,15.13 48.04,15.13 49.06,16.14 75.73,16.14 76.75,15.13 78.27,15.13 79.29,16.14 83.1,16.14 85.03,18.08 111.58,18.08 v1(112.18,18.68)
/ITECSET4: length 138.3
  Top w0.254: U18.7 143.91,19.05 v1(143.55,18.68) ; U2.9 23.18,23.79 v1(23.15,23.76)
  Bottom w0.254: v1(143.55,18.68) 141.48,18.68 139.71,16.9 85.76,16.9 83.86,15 80.05,15 78.91,13.86 75.98,13.86 74.74,15.1 50.05,15.1 48.55,13.6 45.89,13.6 45.25,14.24 26.58,14.24 24.3,16.52 24.3,22.62 v1(23.15,23.76)
/LTC1923Channel/HC: length 19.8
  Top w0.254: R20.1 66.5,30.14 64.7,30.14 64.7,31.05 63.76,31.99 57.16,31.99 55.79,30.62 55.79,28.59 53.63,26.42 U5.11
/LTC1923Channel/TECN: length 14.5
  Top w0.254: J3.2 54.24,76.34 64.15,76.34 R26.2
/LTC1923Channel/TECP: length 13.2
  Top w0.254: 61.25,77.38 61.12,77.25 52.66,77.25 J3.1
/LTC1923Channel/~{FAULT}: length 13.9
  Top w0.254: U5.9 51.62,25.01 v1(51.98,24.65) ; v1(58.2,30) 58.6,30.4 59.09,30.4 Q4.1 59.43,30.06 R12.1 ; 61.45,30 61.51,30.06
  Bottom w0.254: v1(51.98,24.65) 55.16,24.65 58.2,27.69 v1(58.2,30)
/MISO: length 51.4
  Top w0.254: v1(23.53,32.02) 32.93,32.02 34.58,30.37 34.58,26.6 33.77,25.79 U3.9 ; FL2.1 v1(22.01,62.37)
  Bottom w0.254: v1(22.01,62.37) 23.53,60.85 v1(23.53,32.02)
/MOSI: length 73
  Top w0.254: U2.15 21,28.2 20.61,28.59 15.91,28.59 v1(15.66,28.84) ; FL4.1 v1(19.47,62.37) ; U3.8 34.58,25.29 35.6,26.3 35.6,30.75 33.31,33.03 v1(15.66,33.03)
  Bottom w0.254: v1(19.47,62.37) 15.66,58.56 v1(15.66,28.84)
/SCK: length 65.1
  Top w0.254: 24.55,65.25 24.55,66.92 20.72,70.75 20.72,72.49 J2.4 ; v1(25.69,31.13) 32.55,31.13 33.53,30.14 33.53,26.85 U3.10 ; 24.55,65.32 v1(24.55,62.37) ; v1(25.69,28.84) 25.44,28.59 22.14,28.59 21.5,27.95 21.5,27.37 21.5,27.37 21.5,27.25 21.5,27.26
  Bottom w0.254: v1(24.55,62.37) 25.69,61.23 v1(25.69,31.13) v1(25.69,28.84)
/sheet609B3708/HC: length 19.9
  Top w0.254: R45.1 95.79,29.99 Q15.1 95.55,31.06 94.59,32.02 87.16,32.02 86.14,31 86.14,29.48 83.14,26.47 82.12,26.47 82.1,26.45 U10.11
/sheet609B3708/TECN: length 14.4
  Top w0.254: R51.2 94.44,76.34 84.85,76.34 J4.2
/sheet609B3708/TECP: length 13.3
  Top w0.254: J4.1 83.45,77.44 R49.2
/sheet609B3708/VREF: length 38.7
  Top w0.254: U10.8 81.42,23.64 ; 81.42,23.64 v1(82.59,23.64) ; 81.42,23.64 81.42,23.86 ; 81.42,23.64 81.42,23.86 ; R40.1 79.5,14.88 77.64,13.02 77.6,13.05 R42.2 75.52,12.88 U9.5 ; R40.1 80.62,14.88 81.42,15.68 81.42,23.86 ; R40.1 82.47,12.33 R31.1 ; U10.27 76.74,27.92 v1(75.97,28.7) 75.33,29.33 C50.1
  Bottom w0.254: v1(75.97,28.7) 75.97,26.51 78.84,23.64 v1(82.59,23.64)
/sheet609B3708/~{FAULT}: length 14.1
  Top w0.254: v1(82.59,24.65) 82.59,24.94 U10.9 ; R37.1 90.19,29.99 Q13.1 89.19,30.24 v1(88.95,30)
  Bottom w0.254: v1(88.95,30) 88.95,27.46 86.14,24.65 v1(82.59,24.65)
/sheet609BE7FC/HC: length 19.7
  Top w0.254: U14.11 115.35,26.42 118.28,29.35 118.28,30.62 119.64,31.99 126.12,31.99 127.35,30.75 127.35,30.08 129.09,30.08 R68.1
/sheet609BE7FC/TECN: length 14.3
  Top w0.254: J5.2 116.46,76.21 125.93,76.21 R74.2
/sheet609BE7FC/TECP: length 13.2
  Top w0.254: R72.2 115.19,77.44 J5.1
/sheet609BE7FC/VREF: length 37.3
  Top w0.254: R63.1 114.35,12.33 R54.1 ; R63.1 111.25,14.88 109.38,13.02 109.35,13.05 R65.2 107.27,12.75 U13.5 ; R63.1 113.04,16.12 113.04,23.73 ; 113.04,23.73 U14.8 ; 113.04,23.73 114.06,23.73 v1(114.08,23.76) ; C75.1 106.86,29.33 v1(107.54,28.65) 108.27,27.92 U14.27
  Bottom w0.254: v1(114.08,23.76) 110.53,23.76 107.54,26.75 v1(107.54,28.65)
/sheet609BE7FC/~{FAULT}: length 13.9
  Top w0.254: v1(114.53,24.66) 113.77,25.42 U14.9 ; R60.1 123.59,30 122.03,30 Q19.1 121.72,30.3 121.1,30.3 v1(120.8,30)
  Bottom w0.254: v1(120.8,30) 120.8,27.81 117.65,24.66 v1(114.53,24.66)
/sheet609C9431/HC: length 19.4
  Top w0.254: 160.64,29.99 160.63,30 159.45,30 Q27.1 157.31,32.14 151.29,32.14 149.52,30.37 149.52,29.35 146.59,26.42 U18.11
/sheet609C9431/TECN: length 14.7
  Top w0.254: J6.2 147.65,76.29 157.51,76.29 R97.2
/sheet609C9431/TECP: length 13.8
  Top w0.254: J6.1 146.28,77.42 R95.2
/sheet609C9431/VREF: length 37
  Top w0.254: C100.1 138.32,29.33 v1(139.02,28.63) 139.73,27.92 U18.27 ; U18.8 144.41,23.74 ; 144.41,23.74 144.41,16 R86.1 ; 144.41,23.74 145.43,23.74 v1(145.45,23.76) ; U17.5 138.77,12.75 R88.2 140.84,13.05 140.88,13.02 142.74,14.88 R86.1 ; R77.1 145.84,12.33 R86.1
  Bottom w0.254: v1(145.45,23.76) 141.9,23.76 139.02,26.64 v1(139.02,28.63)
/sheet609C9431/~{FAULT}: length 14.4
  Top w0.254: 155.27,30.08 155.36,29.99 ; R83.1 153.81,29.99 Q25.1 152.8,30.4 v1(152.5,30.1) ; v1(146.09,24.65) 145.31,25.42 U18.9
  Bottom w0.254: v1(146.09,24.65) 149.14,24.65 152.5,28.02 v1(152.5,30.1)
/TEC_ENABLE: length 7.1
  Top w0.381: Q1.1 32.97,60.51 R3.2 33,62.5 32.2,63.3 32.2,65.28 FL7.1
/TEMPGET1: length 139.8
  Top w0.254: U3.7 34.83,24.79 35.6,24.02 35.6,5.73 36.74,4.59 53.21,4.59 55.67,7.04 55.67,9.23 R9.2 R6.2 54.9,12.56 67.07,12.56 68.75,14.24 68.75,75.23 v1(68.97,75.45) ; J3.3 55.87,75.47 66.7,75.47 66.64,75.47 v1(66.62,75.45)
  Bottom w0.254: v1(66.62,75.45) v1(68.97,75.45)
